# KiCad board katia.kicad_pcb (continued)
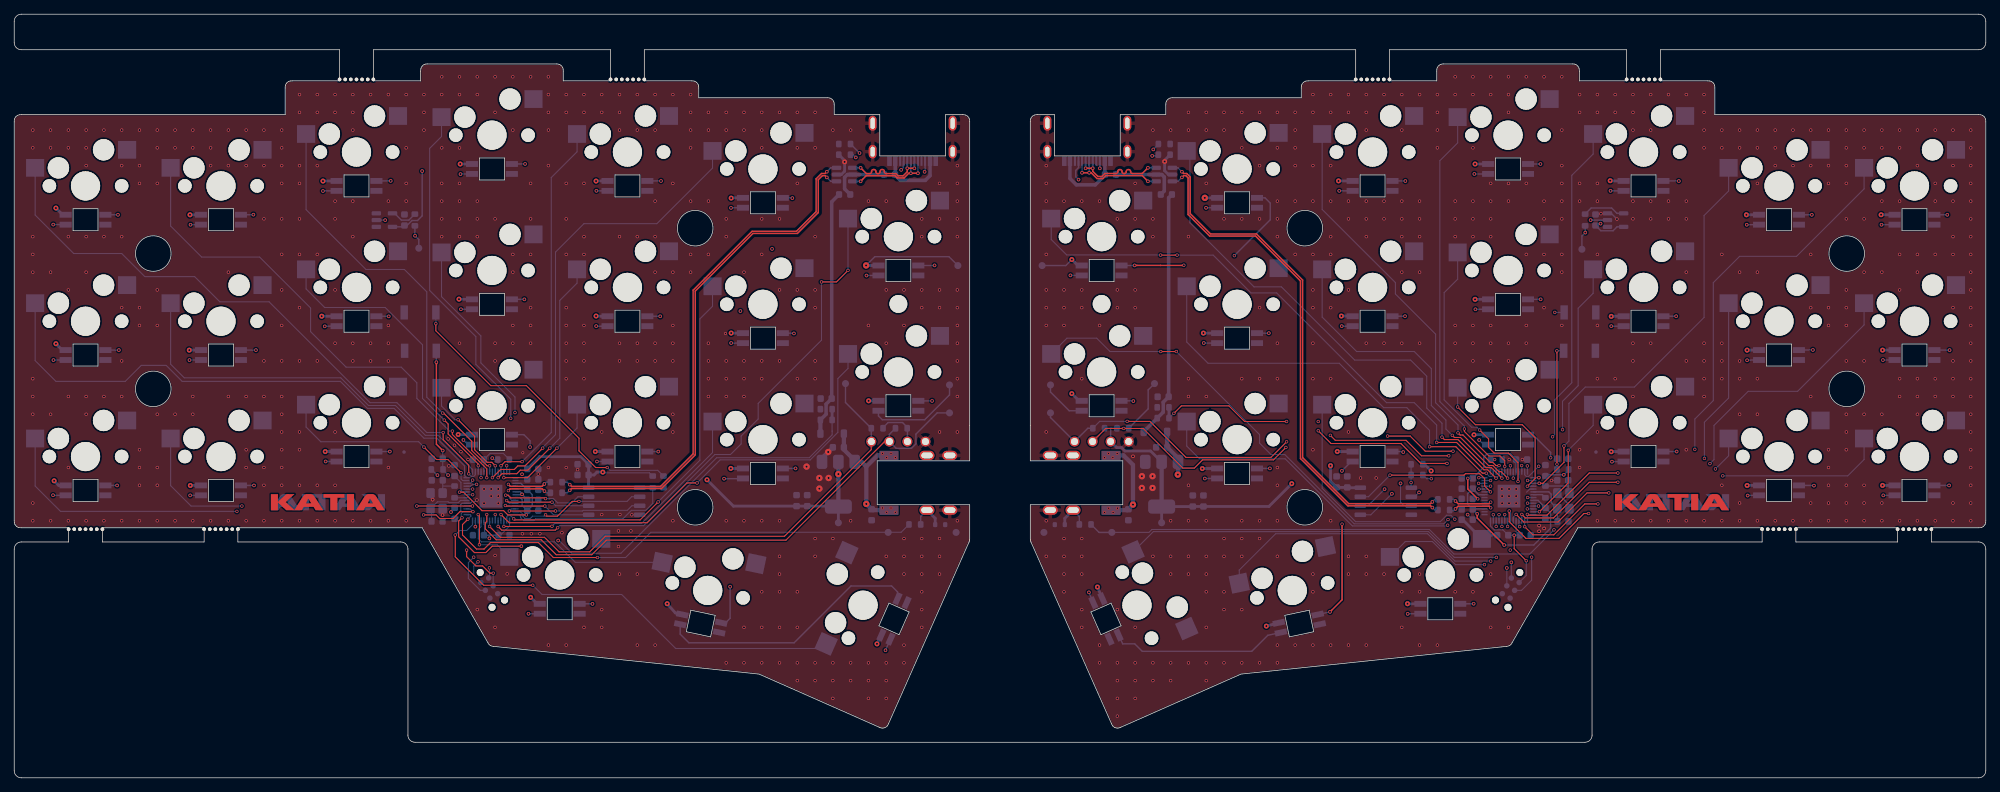
[diagram p0: board, top side]
## Nets
+1V1: C1.1 C4.1 C6.1 C14.1 C17.1 C19.1 U1.23 U1.45 U1.50 U2.23 U2.45 U2.50
+3V3: C7.1 C8.1 C9.1 C10.1 C11.1 C12.1 C13.1 C20.1 C21.1 C22.1 C23.1 C24.1 C25.1 C26.1 C27.1 C28.1 C33.1 C34.1 C35.1 C36.1 C41.1 C42.1 J2.3 J3.1 J5.3 J6.1 R1.1 R5.1 R7.1 R8.1 R9.1 R15.1 R16.1 R17.2 R24.2 TP11.1 TP16.1 U1.1 U1.10 U1.22 U1.33 U1.42 U1.43 U1.44 U1.48 U1.49 U2.1 U2.10 U2.22 U2.33 U2.42 U2.43 U2.44 U2.48 U2.49 U3.8 U6.2 U7.8 U10.2
+5V: C29.1 C30.1 C32.1 C37.1 C38.1 C40.1 D3.1 D4.1 J1.T J4.T LED1.4 LED2.4 LED3.4 LED4.4 LED5.4 LED6.4 LED7.4 LED8.4 LED9.4 LED10.4 LED11.4 LED12.4 LED13.4 LED14.4 LED15.4 LED16.4 LED17.4 LED18.4 LED19.4 LED20.4 LED21.4 LED22.4 LED23.4 LED24.4 LED25.4 LED26.4 LED27.4 LED28.4 LED29.4 LED30.4 LED31.4 LED32.4 LED33.4 LED34.4 LED35.4 LED36.4 LED37.4 LED38.4 LED39.4 LED40.4 LED41.4 LED42.4 LED43.4 LED44.4 LED45.4 LED46.4 TP10.1 TP15.1 U4.5 U6.3 U8.5 U10.3
GND: C1.2 C2.2 C3.2 C4.2 C5.2 C6.2 C7.2 C8.2 C9.2 C10.2 C11.2 C12.2 C13.2 C14.2 C15.2 C16.2 C17.2 C18.2 C19.2 C20.2 C21.2 C22.2 C23.2 C24.2 C25.2 C26.2 C27.2 C28.2 C29.2 C30.2 C31.2 C32.2 C33.2 C34.2 C35.2 C36.2 C37.2 C38.2 C39.2 C40.2 C41.2 C42.2 D1.1 D2.1 J1.S J2.4 J3.5 J4.S J5.4 J6.5 J7.A1 J7.A12 J7.B1 J7.B12 J7.S1 J8.A1 J8.A12 J8.B1 J8.B12 J8.S1 LED1.2 LED2.2 LED3.2 LED4.2 LED5.2 LED6.2 LED7.2 LED8.2 LED9.2 LED10.2 LED11.2 LED12.2 LED13.2 LED14.2 LED15.2 LED16.2 LED17.2 LED18.2 LED19.2 LED20.2 LED21.2 LED22.2 LED23.2 LED24.2 LED25.2 LED26.2 LED27.2 LED28.2 LED29.2 LED30.2 LED31.2 LED32.2 LED33.2 LED34.2 LED35.2 LED36.2 LED37.2 LED38.2 LED39.2 LED40.2 LED41.2 LED42.2 LED43.2 LED44.2 LED45.2 LED46.2 R13.1 R20.1 R21.1 R23.2 R27.1 R28.1 R30.2 SW1.2 SW2.2 SW3.2 SW4.2 SW5.2 SW6.2 SW7.2 SW8.2 SW9.2 SW10.2 SW11.2 SW12.2 SW13.2 SW14.2 SW15.2 SW16.2 SW17.2 SW18.2 SW19.2 SW20.2 SW21.2 SW22.2 SW23.2 SW24.2 SW25.2 SW26.2 SW27.2 SW28.2 SW29.2 SW30.2 SW31.2 SW32.2 SW33.2 SW34.2 SW35.2 SW36.2 SW37.2 SW38.2 SW39.2 SW40.2 SW41.2 SW42.2 SW43.2 SW44.2 SW45.2 SW46.2 TACTSW1.1 TACTSW2.1 TACTSW3.1 TACTSW4.1 TP9.1 TP14.1 U1.19 U1.57 U2.19 U2.57 U3.4 U4.3 U5.2 U6.1 U7.4 U8.3 U9.2 U10.1 Y1.2 Y1.4 Y2.2 Y2.4
/Left Board/D+: R3.1 U5.1
/Left Board/D-: R4.2 U5.3
/Left Board/KEY1: SW21.1 U1.14
/Left Board/KEY2: SW20.1 U1.3
/Left Board/KEY3: SW19.1 U1.2
/Left Board/KEY4: SW18.1 U1.36
/Left Board/KEY5: SW14.1 U1.39
/Left Board/KEY6: SW15.1 U1.38
/Left Board/KEY7: SW16.1 U1.40
/Left Board/KEY8: SW17.1 U1.11
/Left Board/KEY9: SW13.1 U1.12
/Left Board/KEY10: SW12.1 U1.37
/Left Board/KEY11: SW11.1 U1.6
/Left Board/KEY12: SW10.1 U1.41
/Left Board/KEY13: SW7.1 U1.35
/Left Board/KEY14: SW8.1 U1.31
/Left Board/KEY15: SW9.1 U1.27
/Left Board/KEY16: SW6.1 U1.18
/Left Board/KEY17: SW5.1 U1.29
/Left Board/KEY18: SW4.1 U1.34
/Left Board/KEY19: SW1.1 U1.30
/Left Board/KEY20: SW2.1 U1.28
/Left Board/KEY21: SW3.1 U1.17
/Left Board/KEY22: SW22.1 U1.5
/Left Board/KEY23: SW23.1 U1.4
/Left Board/LED: U1.13 U4.2
/Left Board/QSPI_SCLK: U1.52 U3.6
/Left Board/QSPI_SD0: U1.53 U3.5
/Left Board/QSPI_SD1: U1.55 U3.2
/Left Board/QSPI_SD2: U1.54 U3.3
/Left Board/QSPI_SD3: U1.51 U3.7
/Left Board/QSPI_SS: R17.1 R18.1 U1.56 U3.1
/Left Board/RUN: C5.1 J3.3 R1.2 TACTSW1.2 U1.26
/Left Board/SCL: J2.2 R8.2 TP3.1 U1.9
/Left Board/SDA: J2.1 R7.2 TP2.1 U1.8
/Left Board/SPLIT_HAND: R5.2 U1.32
/Left Board/SWCLK: J3.4 U1.24
/Left Board/SWD: J3.2 U1.25
/Left Board/TX: R6.2 TP1.1 U1.15
/Left Board/USB/DATA+: J7.A6 J7.B6 U5.6
/Left Board/USB/DATA-: J7.A7 J7.B7 U5.4
/Left Board/USB_VBUS: R22.2 R23.1 U1.16
/Left Board/XIN: C2.1 U1.20 Y1.1
/Left Board/XOUT: R2.2 U1.21
/Right Board/D+: R11.1 U9.1
/Right Board/D-: R12.2 U9.3
/Right Board/KEY1: SW44.1 U2.36
/Right Board/KEY2: SW43.1 U2.37
/Right Board/KEY3: SW42.1 U2.2
/Right Board/KEY4: SW41.1 U2.5
/Right Board/KEY5: SW37.1 U2.3
/Right Board/KEY6: SW38.1 U2.7
/Right Board/KEY7: SW39.1 U2.41
/Right Board/KEY8: SW40.1 U2.38
/Right Board/KEY9: SW36.1 U2.40
/Right Board/KEY10: SW35.1 U2.18
/Right Board/KEY11: SW34.1 U2.11
/Right Board/KEY12: SW33.1 U2.6
/Right Board/KEY13: SW30.1 U2.12
/Right Board/KEY14: SW31.1 U2.14
/Right Board/KEY15: SW32.1 U2.27
/Right Board/KEY16: SW29.1 U2.30
/Right Board/KEY17: SW28.1 U2.31
/Right Board/KEY18: SW27.1 U2.17
/Right Board/KEY19: SW24.1 U2.29
/Right Board/KEY20: SW25.1 U2.34
/Right Board/KEY21: SW26.1 U2.35
/Right Board/KEY22: SW45.1 U2.4
/Right Board/KEY23: SW46.1 U2.39
/Right Board/LED: U2.13 U8.2
/Right Board/QSPI_SCLK: U2.52 U7.6
/Right Board/QSPI_SD0: U2.53 U7.5
/Right Board/QSPI_SD1: U2.55 U7.2
/Right Board/QSPI_SD2: U2.54 U7.3
/Right Board/QSPI_SD3: U2.51 U7.7
/Right Board/QSPI_SS: R24.1 R25.1 U2.56 U7.1
/Right Board/RUN: C18.1 J6.3 R9.2 TACTSW2.2 U2.26
/Right Board/SCL: J5.2 R16.2 TP6.1 U2.9
/Right Board/SDA: J5.1 R15.2 TP5.1 U2.8
/Right Board/SPLIT_HAND: R13.2 U2.32
/Right Board/SWCLK: J6.4 U2.24
/Right Board/SWD: J6.2 U2.25
/Right Board/TX: R14.2 TP4.1 U2.15
/Right Board/USB/DATA+: J8.A6 J8.B6 U9.6
/Right Board/USB/DATA-: J8.A7 J8.B7 U9.4
/Right Board/USB_VBUS: R29.2 R30.1 U2.16
/Right Board/XIN: C15.1 U2.20 Y2.1
/Right Board/XOUT: R10.2 U2.21
Net-(C3-Pad1): C3.1 R2.1 Y1.3
Net-(C16-Pad1): C16.1 R10.1 Y2.3
Net-(D1-A2): D1.2 J1.R R6.1
Net-(D2-A2): D2.2 J4.R R14.1
Net-(D3-A): C31.1 D3.2 FB1.2 R22.1
Net-(D4-A): C39.1 D4.2 FB2.2 R29.1
Net-(F1-Pad1): F1.1 J7.A4 J7.A9 J7.B4 J7.B9
Net-(F2-Pad1): F2.1 J8.A4 J8.A9 J8.B4 J8.B9
Net-(J7-CC1): J7.A5 R20.2
Net-(J7-CC2): J7.B5 R21.2
Net-(J8-CC1): J8.A5 R27.2
Net-(J8-CC2): J8.B5 R28.2
Net-(LED1-DIN): LED1.3 R19.2 TP7.1
Net-(LED1-DOUT): LED1.1 LED2.3
Net-(LED2-DOUT): LED2.1 LED3.3
Net-(LED3-DOUT): LED3.1 LED6.3
Net-(LED4-DIN): LED4.3 LED5.1
Net-(LED4-DOUT): LED4.1 LED7.3
Net-(LED5-DIN): LED5.3 LED6.1
Net-(LED7-DOUT): LED7.1 LED8.3
Net-(LED8-DOUT): LED8.1 LED9.3
Net-(LED10-DIN): LED10.3 LED11.1
Net-(LED10-DOUT): LED10.1 LED14.3
Net-(LED11-DIN): LED11.3 LED12.1
Net-(LED12-DIN): LED12.3 LED13.1
Net-(LED13-DIN): LED9.1 LED13.3
Net-(LED14-DOUT): LED14.1 LED15.3
Net-(LED15-DOUT): LED15.1 LED16.3
Net-(LED16-DOUT): LED16.1 LED17.3
Net-(LED17-DOUT): LED17.1 LED21.3
Net-(LED18-DIN): LED18.3 LED19.1
Net-(LED18-DOUT): LED18.1 LED22.3
Net-(LED19-DIN): LED19.3 LED20.1
Net-(LED20-DIN): LED20.3 LED21.1
Net-(LED22-DOUT): LED22.1 LED23.3
Net-(LED23-DOUT): LED23.1 TP8.1
Net-(LED24-DIN): LED24.3 R26.2 TP12.1
Net-(LED24-DOUT): LED24.1 LED25.3
Net-(LED25-DOUT): LED25.1 LED26.3
Net-(LED26-DOUT): LED26.1 LED29.3
Net-(LED27-DIN): LED27.3 LED28.1
Net-(LED27-DOUT): LED27.1 LED30.3
Net-(LED28-DIN): LED28.3 LED29.1
Net-(LED30-DOUT): LED30.1 LED31.3
Net-(LED31-DOUT): LED31.1 LED32.3
Net-(LED32-DOUT): LED32.1 LED36.3
Net-(LED33-DIN): LED33.3 LED34.1
Net-(LED33-DOUT): LED33.1 LED37.3
Net-(LED34-DIN): LED34.3 LED35.1
Net-(LED35-DIN): LED35.3 LED36.1
Net-(LED37-DOUT): LED37.1 LED38.3
Net-(LED38-DOUT): LED38.1 LED39.3
Net-(LED39-DOUT): LED39.1 LED40.3
Net-(LED40-DOUT): LED40.1 LED44.3
Net-(LED41-DIN): LED41.3 LED42.1
Net-(LED41-DOUT): LED41.1 LED45.3
Net-(LED42-DIN): LED42.3 LED43.1
Net-(LED43-DIN): LED43.3 LED44.1
Net-(LED45-DOUT): LED45.1 LED46.3
Net-(LED46-DOUT): LED46.1 TP13.1
Net-(R18-Pad2): R18.2 TACTSW3.2
Net-(R25-Pad2): R25.2 TACTSW4.2
Net-(U1-USB_DM): R4.1 U1.46
Net-(U1-USB_DP): R3.2 U1.47
Net-(U2-USB_DM): R12.1 U2.46
Net-(U2-USB_DP): R11.2 U2.47
Net-(U4-Y): R19.1 U4.4
Net-(U5-VBUS): F1.2 FB1.1 U5.5
Net-(U8-Y): R26.1 U8.4
Net-(U9-VBUS): F2.2 FB2.1 U9.5

Pads without a net: J3 6; J6 6; J7 A8 B8; J8 A8 B8; U1 7; U2 28; U4 1; U8 1

## Via types
v1: diameter 0.45, hole 0.3, Top to Bottom, 1062 vias
v2: diameter 0.9, hole 0.3, Top to Bottom, 15 vias
v3: diameter 0.7, hole 0.3, Top to Bottom, 51 vias
v4: diameter 0.5, hole 0.3, Top to Bottom, 155 vias
v5: diameter 0.4, hole 0.25, Top to Bottom, 18 vias

## Routing (per net, layer and track width the routed paths; a pad name or vN(x,y) marks a point on that pad's centre or on a via; arc(x,y) is an arc through that point)
+1V1: length 50.3
  Top w0.15: v1(72.01,37) 69.41,37 68.81,37.6 65.78,37.6 63.18,40.2 v1(62.61,40.2)
  Top w0.2: v4(205.72,37.16) 205.72,36.56 v4(209.51,32.77)
  Bottom w0.15: v1(72.01,37) 72.01,37.48 ; C6.1 62.81,41.58 62.81,40.5 63.07,40.25 U1.23 62.66,40.25 v1(62.61,40.2)
  Bottom w0.2: U1.50 71.13,39.45 71.41,39.17 71.41,38.34 C4.1 72.84,38.32 72.84,39.85 C1.1 71.24,41.45 U1.45 ; U2.23 214.27,39.05 C19.1 216.03,37.28 216.03,35.14 213.66,32.77 v4(209.51,32.77) ; 205.06,40.7 204.36,40 204.36,38.51 C17.1 v4(205.72,37.16) ; U2.45 205.29,37.85 ; 205.23,40.55 205.93,39.85 U2.50
+3V3: length 273.2
  Top w0.15: v4(210.91,34.14) 210.91,32.25 v1(212.61,30.55)
  Top w0.2: v1(205.79,39.26) 204.39,40.66 v1(204.39,42.15)
  In1.Cu w0.4: J2.3 124.54,46.28 119.41,46.28 v2(115.89,42.75)
  In2.Cu w0.15: v1(66.81,29.55) v4(66.81,33.7)
  In2.Cu w0.2: v4(61.41,37.4) 59.51,39.3 v4(59.51,42.6) ; v4(61.41,37.4) 61.41,37.36 65.06,33.7 v4(66.81,33.7) 68.2,33.7 71.41,36.91 v4(71.41,39.9) 71.41,39.91 71.41,42.73 ; v4(61.41,37.4) 63.86,39.85 v1(64.46,39.85) ; v1(204.39,42.15) 203.34,43.2 v3(199.24,43.2) ; 213.61,39.46 214.69,39.46 v4(217.89,42.65) ; 213.61,39.46 213.61,35.2 212.55,34.14 v4(210.91,34.14) 207.27,34.14 204.37,37.05 ; 213.61,39.46 v1(212.8,39.46) ; v1(205.79,39.26) 204.36,37.84 v4(204.36,37.05)
  In2.Cu w0.4: v3(179.64,41.4) 182.16,43.93 v3(185.09,43.93) 185.11,43.9 188.06,43.9 188.76,43.2 v3(199.24,43.2) ; v3(97.41,41.95) 96.34,43.03 v3(82.76,43.03)
  Bottom w0.15: U1.33 C12.1 66.92,45.67 68.75,45.67 R5.1 ; J6.1 212.61,28.49 v1(212.61,30.55) ; U1.22 64.31,39.85 64.31,39.85 v1(64.46,39.85) ; 89.59,42.66 89.33,42.93 82.86,42.93 v3(82.76,43.03) ; U1.1 69.64,35.43 68.36,34.15 ; C23.1 211.18,34.64 U2.33 ; U2.42 207.58,35.43 208.12,34.9 209.33,34.9 C22.1 ; v4(204.36,37.05) C20.1 ; v1(66.81,29.55) 66.81,28.22 ; v4(71.41,39.9) 71.41,39.85 ; U1.10 66.04,35.67 66.15,35.57 66.15,34.25
  Bottom w0.2: 206.62,43.7 206.62,45.11 207.11,45.6 210.38,45.6 C25.1 U2.10 ; 206.62,43.7 C21.1 ; 206.62,43.7 207.46,43.7 207.58,43.58 U2.1 ; v1(204.39,42.15) 205.07,42.15 ; U2.22 212.81,39.45 v1(212.8,39.46) ; 72.14,39.17 v4(71.41,39.9) 71.41,40.01 71.17,40.25 U1.48 ; 154.21,49.2 R16.1 ; 154.21,49.2 R15.1 ; 154.21,49.2 154.17,49.16 J5.3 ; 218.58,43.34 v4(217.89,42.65) 215.49,42.65 ; v4(61.41,37.4) 61.92,37.91 ; v4(66.81,33.7) 66.81,34.14 ; 122.16,49.3 122.86,50 124.91,50 125.56,49.35 ; R1.1 59.45,42.6 v4(59.51,42.6) ; J2.3 125.6,49.17 ; 71.41,39.85 U1.49 ; 68.08,34.14 C10.1 ; v1(205.79,39.26) C26.1 ; C22.1 C23.1
  Bottom w0.4: v3(82.76,43.03) 81.94,43.03 81.54,42.63 C27.1 ; C7.1 73.87,45.2 79.69,45.2 C28.1 C27.1 ; 161.31,44.48 159.78,46 156.19,46 155.71,46.48 155.02,46.48 J5.3 ; TP16.1 U10.2 165.71,38.18 ; v3(179.64,41.4) 176.43,38.19 C42.1 C41.1 ; C27.1 80.76,40.85 ; 115.82,38.24 C33.1 C34.1 101.12,38.24 v3(97.41,41.95) ; TP11.1 U6.2 ; U7.8 187.49,40.83 ; R24.2 198.31,44.13 v3(199.24,43.2) ; v3(185.09,43.93) 185.09,41.72 C35.1 C36.1
  Bottom w0.6: U6.2 v2(115.89,42.75) U6.2 ; U10.2 U10.2
  vias: v4(71.41,42.73)
+5V: length 1099.5
  In1.Cu w0.2: v3(224.41,84.05) 223.71,83.35 223.71,78.67 v4(223.06,78.01)
  In2.Cu w0.4: 205.41,49.7 198.56,49.7 196.16,47.3 187.41,47.3 v3(186.04,45.93) 185.06,44.95 168.49,44.95 v3(167.06,43.53) 166.21,42.68 v2(163.61,42.68) ; 205.41,49.7 213.36,49.7 215.76,47.3 224.56,47.3 ; 205.41,49.7 205.26,49.55 v3(205.26,48.29) ; 160.11,73.5 149.26,73.5 v3(148.71,72.95) ; v3(24.76,41.15) 24.76,42.5 ; 24.76,42.5 6.31,42.5 v3(5.61,41.8) ; 24.76,42.5 40.31,42.5 v3(43.73,45.92) 45.11,47.3 58.16,47.3 60.56,49.7 62.41,49.7 ; v3(24.61,60.2) 24.61,61.6 ; 81.81,66.3 80.44,66.3 78.04,68.7 63.86,68.7 v3(62.54,67.38) 61.46,66.3 44.56,66.3 v3(43.24,64.98) 39.86,61.6 6.36,61.6 v3(5.86,61.1) ; 81.81,66.3 95.44,66.3 97.74,64 100.81,64 ; 81.81,66.3 v3(81.81,65) ; 24.71,80.6 40.01,80.6 v3(43.41,84) 44.81,85.4 v4(57.36,85.4) 61.71,85.4 64.11,87.8 78.91,87.8 81.31,85.4 97.41,85.4 99.81,83 100.81,83 ; 24.71,80.6 v3(24.71,79.25) ; 24.71,80.6 6.26,80.6 v3(5.86,80.2) ; v3(120.14,53.07) 117.34,53.07 117.33,53.05 ; 81.71,47.4 90.34,47.4 92.64,45.1 100.76,45.1 ; 81.71,47.4 v3(81.71,45.92) ; 81.71,47.4 71.21,47.4 68.91,49.7 62.41,49.7 ; v3(243.66,60.2) 243.66,61.6 ; 243.66,61.6 242.11,61.6 237.36,66.35 224.56,66.35 ; 243.66,61.6 261.31,61.6 v3(262.71,60.2) ; v3(262.71,41.16) 261.37,42.5 243.61,42.5 ; 243.61,42.5 241.61,42.5 236.81,47.3 224.56,47.3 ; 243.61,42.5 243.66,42.45 v3(243.66,41.15) ; v3(262.51,79.26) 261.16,80.6 243.51,80.6 ; 243.51,80.6 243.56,80.55 v3(243.56,79.25) ; 243.51,80.6 241.61,80.6 236.81,85.4 224.41,85.4 ; 62.41,49.7 62.43,49.69 v3(62.43,48.32) ; v3(72.61,25.4) 73.18,25.97 90.35,25.97 v3(91.81,24.5) 95.51,24.5 96.23,23.79 116.33,23.79 ; v2(167.41,81.64) 168.78,83 185.19,83 v3(186.21,84.02) 187.59,85.4 204.41,85.4 v3(205.41,86.4) 206.76,87.75 220.01,87.75 222.36,85.4 224.41,85.4 ; 224.56,66.35 v3(224.56,64.95) ; 224.56,66.35 223.01,66.35 220.66,68.7 206.76,68.7 v3(205.41,67.35) 204.41,66.35 187.96,66.35 v3(186.61,65) 185.56,63.95 168.56,63.95 v3(167.21,62.6) 162.46,57.85 160.11,57.85 ; v2(157.31,38.46) 152.31,33.46 v3(152.31,26.85) 163.86,26.85 169.36,21.35 v3(176.06,21.35) 178.51,23.8 181.06,23.8 181.76,24.5 v3(195.91,24.5) ; v3(121.31,18.85) 121.19,18.98 121.14,18.98 116.33,23.79 ; 224.56,47.3 v3(224.56,45.9) ; v3(224.41,84.05) 224.41,85.4 ; 117.33,48.55 117.29,48.59 114,48.59 110.51,45.1 100.76,45.1 ; v3(148.71,54.08) 149.09,54.45 160.11,54.45 ; v3(81.81,84) 81.81,85.4 ; v3(100.81,62.6) 100.81,64 ; 100.81,64 117.33,64 ; 116.33,23.79 116.33,25.67 119.81,29.15 v2(119.81,38.55) ; v3(100.81,81.6) 100.81,83 ; 100.81,83 108.91,83 v2(119.79,72.13) ; v3(100.76,43.55) 100.76,45.1
  In2.Cu w0.6: v2(119.81,38.55) 119.81,42.78 117.33,45.27 117.33,69.67 v2(119.79,72.13) ; v2(167.41,81.64) 160.11,74.34 160.11,46.18 v2(163.61,42.68) 159.39,38.46 v2(157.31,38.46)
  Bottom w0.2: TP15.1 147.86,72.1 v3(148.71,72.95) ; TP10.1 131.44,73.35 121.01,73.35 v2(119.79,72.13) ; 222.61,78.01 v4(223.06,78.01) ; v4(57.36,85.4) 57.36,79.1 56.71,78.45 55.93,78.45 55.23,77.75 ; U8.5 225.37,77.56 224.82,77.01 223.1,77.01 222.35,77.75 ; U4.5 54.68,77.56
  Bottom w0.4: v3(148.71,54.08) 149.73,53.07 ; v3(100.76,43.55) 100.78,43.54 LED20.4 ; v3(62.54,67.38) 62.56,67.35 64.38,67.35 ; v3(100.81,81.6) 100.85,81.64 LED18.4 ; LED44.4 v3(152.31,26.85) ; v3(195.91,24.5) 195.93,24.49 LED36.4 ; LED32.4 224.58,45.92 v3(224.56,45.9) ; v3(100.81,62.6) 100.83,62.59 LED19.4 ; LED43.4 167.08,43.54 v3(167.06,43.53) ; v3(186.04,45.93) 186.04,45.92 LED39.4 ; 6.81,79.26 v3(5.86,80.2) ; LED3.4 6.26,41.16 v3(5.61,41.8) ; 163.64,42.71 v2(163.61,42.68) ; v3(24.61,60.2) 24.62,60.21 LED5.4 ; v2(167.41,81.64) LED41.4 ; v3(148.71,72.95) 149.55,72.12 ; LED40.4 v3(176.06,21.35) ; LED7.4 43.43,84.02 v3(43.41,84) ; LED31.4 224.58,64.97 v3(224.56,64.95) ; v3(62.43,48.32) 62.45,48.3 LED12.4 ; v3(243.66,60.2) 243.67,60.21 LED28.4 ; v3(167.21,62.6) 167.23,62.59 LED42.4 ; v3(205.26,48.29) 205.28,48.3 LED35.4 ; LED16.4 81.71,45.92 v3(81.71,45.92) ; v3(243.66,41.15) 243.67,41.16 LED29.4 ; 6.76,60.21 v3(5.86,61.1) ; v3(91.81,24.5) 92.96,23.2 LED17.4 ; v3(243.56,79.25) 243.57,79.26 LED27.4 ; v3(262.71,60.2) 264.39,60.2 ; 207.25,86.4 v3(205.41,86.4) ; LED37.4 v3(186.21,84.02) ; v3(43.24,64.98) 43.24,64.97 LED8.4 ; v3(81.81,65) 81.84,64.97 LED15.4 ; v3(24.71,79.25) 24.72,79.26 LED4.4 ; 207.25,67.35 v3(205.41,67.35) ; v3(81.81,84) 81.83,84.02 LED14.4 ; v3(186.61,65) 188.17,65 ; v3(120.14,53.07) LED23.4 ; v3(24.76,41.15) 24.77,41.16 LED6.4 ; LED22.4 119.8,72.12 v2(119.79,72.13) ; v3(224.41,84.05) 224.44,84.02 LED30.4 ; v3(262.71,41.16) LED26.4 ; 73.53,24.49 v3(72.61,25.4) ; v3(262.51,79.26) LED24.4 ; LED21.4 v3(121.31,18.85) ; 64.38,86.4 v3(62.71,86.4) ; v3(43.73,45.92) LED9.4
  Bottom w0.6: 120.56,37.8 v2(119.81,38.55) 119.81,43.8 ; 119.81,43.8 119.81,43.8 119.14,44.48 U6.3 118.19,44.67 116.66,46.2 C32.1 D3.1 ; 119.81,43.8 121.4,45.38 J1.T ; U10.3 163.64,42.71 ; J1.T 120.74,37.68 ; 163.64,44.99 C40.1 D4.1 ; J4.T 155.98,45.38 157.31,44.06 v2(157.31,38.46) 156.66,37.81 ; 156.54,37.68 J4.T
  vias: v5(122.09,45.68) v5(122.09,37.98) v5(122.69,45.08) v5(122.69,37.38) v5(123.29,45.68) v5(123.29,37.98) v5(123.89,45.08) v5(123.89,37.38) v5(153.29,45.05) v5(153.31,37.35) v5(153.89,45.65) v5(153.91,37.95) v5(154.49,45.05) v5(154.51,37.35) v5(155.09,45.65) v5(155.11,37.95)
GND: length 31.8
  In1.Cu w0.2: v1(210.21,44.8) v1(212.06,44.8)
  Bottom w0.15: U2.19 213.1,40.65 212.65,40.2 ; v1(216.16,41.85) 216.95,41.85 ; 61.92,36.71 62.79,37.58 62.79,38.45 62.98,38.65 U1.19 64.15,38.65 64.41,38.9 64.86,38.9 v1(65.06,39.1)
  Bottom w0.2: v4(60.23,36.98) 60.23,37.87 ; 218.68,38.38 Y2.2 ; v4(58.84,39.15) 58.54,39.45 Y1.2 ; 224.56,79.46 225.31,78.7 ; v1(61.11,43.9) 61.8,43.9 ; v1(86.84,37.03) 87.95,37.03 ; v1(212.06,44.8) 212.73,44.8
  Bottom w0.4: U9.2 162.3,84.92 161.76,85.45 v3(161.76,86.75) 161.76,86.94 R27.1 ; U5.2 116.3,84.92 116.76,85.38 v3(116.76,86.7) 116.76,86.89 R21.1 ; C22.2 206.88,34.14 ; 203.67,36.33 SW36.2
  Bottom w0.6: C32.2 113.59,44.99
  vias: v1(2.61,91.18) v1(2.61,88.68) v1(2.61,76.18) v1(2.61,73.68) v1(2.61,71.18) v1(2.61,56.18) v1(2.61,53.68) v1(2.61,51.18) v1(2.61,38.68) v1(2.61,36.18) v1(5.11,91.18) v1(5.11,88.68) v1(5.11,71.18) v1(5.11,51.18) v1(5.11,36.18) v1(7.61,91.18) v1(7.61,88.68) v1(7.61,76.18) v1(7.61,68.68) v1(7.61,53.68) v1(7.61,43.68) v1(7.61,36.18) v1(10.11,91.18) v1(10.11,88.68) v1(10.11,86.18) v1(10.11,76.18) v1(10.11,71.18) v1(10.11,53.68) v1(10.11,51.18) v1(10.11,36.18) v1(12.61,91.18) v1(12.61,76.18) v1(12.61,53.68) v1(12.61,36.18) v1(15.11,91.18) v1(15.11,86.18) v1(15.11,76.18) v1(15.11,66.18) v1(15.11,58.68) v1(15.11,53.68) v1(15.11,36.18) v1(17.61,91.18) v1(17.61,86.18) v1(17.61,83.68) v1(17.61,66.18) v1(17.61,63.68) v1(17.61,46.18) v1(17.61,43.68) v1(17.61,41.18) v1(17.61,36.18) v1(20.11,91.18) v1(20.11,88.68) v1(20.11,83.68) v1(20.11,68.68) v1(20.11,63.68) v1(20.11,51.18) v1(20.11,43.68) v1(20.11,41.18) v1(20.11,36.18) v1(22.61,91.18) v1(22.61,88.68) v1(22.61,51.18) v1(22.61,36.18) v1(25.11,91.18) v1(25.11,88.68) v1(25.11,53.68) v1(25.11,51.18) v1(25.11,36.18) v1(27.61,91.18) v1(27.61,88.68) v1(27.61,86.18) v1(27.61,36.18) v1(30.11,91.18) v1(30.11,86.18) v1(30.11,71.18) v1(30.11,53.68) v1(30.11,36.18) v1(32.61,91.18) v1(32.61,86.18) v1(32.61,53.68) v1(32.61,46.18) v1(32.61,43.68) v1(32.61,36.18) v1(35.11,91.18) v1(35.11,86.18) v1(35.11,78.68) v1(35.11,58.68) v1(35.11,53.68) v1(35.11,43.68) v1(35.11,41.18) v1(35.11,36.18) v1(37.61,91.18) v1(37.61,88.68) v1(37.61,86.18) v1(37.61,83.68) v1(37.61,78.68) v1(37.61,73.68) v1(37.61,68.68) v1(37.61,63.68) v1(37.61,58.68) v1(37.61,53.68) v1(37.61,51.18) v1(37.61,48.68) v1(37.61,46.18) v1(37.61,43.68) v1(37.61,41.18) v1(37.61,36.18) v1(40.11,96.18) v1(40.11,93.68) v1(40.11,86.18) v1(40.11,83.68) v1(40.11,78.68) v1(40.11,73.68) v1(40.11,66.18) v1(40.11,58.68) v1(40.11,48.68) v1(40.11,46.18) v1(40.11,41.18) v1(40.11,36.18) v1(42.61,96.18) v1(42.61,93.68) v1(42.61,86.18) v1(42.61,73.68) v1(42.61,58.68) v1(42.61,41.18) v1(42.61,36.18) v1(45.11,96.18) v1(45.11,93.68) v1(45.11,81.18) v1(45.11,78.68) v1(45.11,68.68) v1(45.11,61.18) v1(45.11,48.68) v1(45.11,41.18) v1(45.11,36.18) v1(47.61,96.18) v1(47.61,93.68) v1(47.61,91.18) v1(47.61,81.18) v1(47.61,76.18) v1(47.61,61.18) v1(47.61,58.68) v1(47.61,36.18) v1(50.11,96.18) v1(50.11,61.18) v1(50.11,58.68) v1(50.11,36.18) v1(52.61,96.18) v1(52.61,81.18) v1(52.61,63.68) v1(52.61,61.18) v1(52.61,58.68) v1(52.61,43.68) v1(52.61,36.18) v1(55.11,96.18) v1(55.11,88.68) v1(55.11,83.68) v1(55.11,81.18) v1(55.11,36.18) v1(57.61,96.18) v1(57.61,93.68) v1(57.61,91.18) v1(60.11,98.68) v1(60.11,96.18) v1(60.11,88.68) v1(60.11,83.68) v1(60.11,81.18) v1(60.11,78.68) v1(60.11,76.18) v1(61.01,47.7) v1(61.91,46.8) v1(62.61,98.68) v1(62.61,96.18) v1(62.61,88.68) v1(62.61,83.68) v1(62.61,81.18) v1(62.61,78.68) v1(62.61,76.18) v1(62.61,61.18) v1(62.81,45.9) v1(63.81,44.8) v1(65.11,98.68) v1(65.11,96.18) v1(65.11,81.18) v1(65.11,78.68) v1(65.11,76.18) v1(65.11,23.68) v1(66.06,40.65) v1(66.06,38.65) v1(67.06,40.65) v1(67.06,39.65) v1(67.61,98.68) v1(67.61,93.68) v1(67.61,78.68) v1(67.61,61.18) v1(67.61,58.68) v1(67.61,31.3) v1(67.61,21.18) v1(68.06,40.65) v1(68.06,39.65) v1(68.06,38.65) v1(69.31,28.7) v1(70.11,98.68) v1(70.11,91.18) v1(70.11,73.68) v1(70.11,71.18) v1(70.11,63.68) v1(70.11,61.18) v1(71.46,34.35) v1(72.61,98.68) v1(72.61,83.68) v1(72.61,78.68) v1(72.61,73.68) v1(72.61,66.18) v1(72.61,63.68) v1(72.61,61.18) v1(72.71,34.35) v1(73.69,42.75) v1(73.91,34.35) v1(75.11,98.68) v1(75.11,96.18) v1(75.11,93.68) v1(75.11,91.18) v1(75.11,86.18) v1(75.11,43.68) v1(75.11,18.68) v1(77.01,34.5) v1(77.61,96.18) v1(77.61,93.68) v1(77.61,83.68) v1(77.61,78.68) v1(77.61,73.68) v1(77.61,66.18) v1(77.61,63.68) v1(77.61,61.18) v1(77.61,58.68) v1(77.61,56.18) v1(77.61,43.68) v1(77.61,18.68) v1(79.21,43.38) v1(80.11,96.18) v1(80.11,93.68) v1(80.11,83.68) v1(80.11,76.18) v1(80.11,73.68) v1(80.11,63.68) v1(80.11,61.18) v1(80.11,58.68) v1(80.11,56.18) v1(80.11,21.18) v1(82.61,96.18) v1(82.61,93.68) v1(82.61,48.68) v1(82.61,37.05) v1(82.61,23.68) v1(82.61,21.18) v1(84.96,34.75) v1(84.96,32.55) v1(85.11,96.18) v1(85.11,93.68) v1(85.11,91.18) v1(85.11,76.18) v1(85.11,61.18) v1(85.11,58.68) v1(85.11,28.68) v1(85.16,37.05) v1(86.71,34.75) v1(87.61,96.18) v1(87.61,91.18) v1(87.61,76.18) v1(87.61,61.18) v1(87.61,58.68) v1(87.61,28.68) v1(87.61,18.68) v1(90.11,96.18) v1(90.11,91.18) v1(90.11,81.18) v1(90.11,76.18) v1(90.11,71.18) v1(90.11,61.18) v1(90.11,58.68) v1(90.11,18.68) v1(92.61,96.18) v1(92.61,83.68) v1(92.61,71.18) v1(92.61,63.68) v1(92.61,61.18) v1(92.61,58.68) v1(92.61,51.18) v1(92.61,48.68) v1(92.61,36.18) v1(95.11,96.18) v1(95.11,93.68) v1(95.11,91.18) v1(95.11,88.68) v1(95.11,81.18) v1(95.11,73.68) v1(95.11,71.18) v1(97.61,93.68) v1(97.61,91.18) v1(97.61,81.18) v1(97.61,73.68) v1(97.61,61.18) v1(97.61,58.68) v1(97.61,56.18) v1(97.61,53.68) v1(100.11,93.68) v1(100.11,91.18) v1(100.11,78.68) v1(100.11,76.18) v1(100.11,58.68) v1(100.11,56.18) v1(100.11,53.68) v1(100.11,36.18) v1(100.11,16.18) v1(102.61,93.68) v1(102.61,91.18) v1(102.61,71.18) v1(102.61,58.68) v1(102.61,56.18) v1(102.61,53.68) v1(102.61,36.18) v1(102.61,21.18) v1(102.61,16.18) v1(105.11,93.68) v1(105.11,91.18) v1(105.11,88.68) v1(105.11,78.68) v1(105.11,73.68) v1(105.11,58.68) v1(105.11,56.18) v1(105.11,36.18) v1(105.11,26.18) v1(105.11,21.18) v1(105.11,16.18) v1(107.61,93.68) v1(107.61,78.68) v1(107.61,68.68) v1(107.61,58.68) v1(107.61,36.18) v1(107.61,31.18) v1(107.61,28.68) v1(107.61,26.18) v1(107.61,21.18) v1(107.61,16.18) v1(110.11,93.68) v1(110.11,88.68) v1(110.11,83.68) v1(110.11,68.68) v1(110.11,56.18) v1(110.11,26.18) v1(110.11,21.18) v1(110.11,16.18) v1(110.11,13.68) v1(112.61,93.68) v1(112.61,88.68) v1(112.61,76.18) v1(112.61,68.68) v1(112.61,66.18) v1(112.61,58.68) v1(112.61,56.18) v1(112.61,33.68) v1(112.61,31.18) v1(112.61,16.18) v1(112.61,13.68) v1(115.11,91.18) v1(115.11,33.68) v1(115.11,16.18) v1(115.11,13.68) v1(115.11,11.18) v1(117.61,91.18) v1(117.61,36.18) v1(117.61,16.18) v1(117.61,13.68) v1(120.11,81.18) v1(120.11,63.68) v1(120.11,16.18) v1(120.11,13.68) v1(120.11,11.18) v1(122.61,81.18) v1(122.61,68.68) v1(122.61,61.18) v1(122.61,31.18) v1(122.61,16.18) v1(122.61,13.68) v1(122.61,11.18) v1(125.11,68.68) v1(125.11,63.68) v1(125.11,33.68) v1(125.11,31.18) v1(125.11,28.68) v1(125.11,18.68) v1(125.11,16.18) v1(127.61,78.68) v1(127.61,76.18) v1(127.61,68.68) v1(127.61,66.18) v1(127.61,33.68) v1(127.61,31.18) v1(127.61,28.68) v1(127.61,26.18) v1(127.61,23.68) v1(127.61,21.18) v1(130.11,83.68) v1(130.11,78.68) v1(130.11,68.68) v1(130.11,66.18) v1(130.11,48.68) v1(130.11,33.68) v1(130.11,31.18) v1(130.11,28.68) v1(132.61,86.18) v1(132.61,83.68) v1(132.61,81.18) v1(132.61,78.68) v1(132.61,76.18) v1(132.61,68.68) v1(132.61,66.18) v1(132.61,63.68) v1(132.61,61.18) v1(132.61,58.68) v1(132.61,56.18) v1(132.61,53.68) v1(132.61,48.68) v1(132.61,36.18) v1(145.11,86.18) v1(145.11,83.68) v1(145.11,81.18) v1(145.11,73.68) v1(145.11,68.68) v1(145.11,66.18) v1(145.11,63.68) v1(145.11,48.68) v1(145.11,36.18) v1(145.11,31.18) v1(147.61,81.18) v1(147.61,68.68) v1(147.61,66.18) v1(147.61,63.68) v1(147.61,33.68) v1(147.61,31.18) v1(147.61,28.68) v1(147.61,26.18) v1(150.11,81.18) v1(150.11,68.68) v1(150.11,66.18) v1(150.11,56.18) v1(150.11,33.68) v1(150.11,31.18) v1(150.11,28.68) v1(150.11,23.68) v1(150.11,21.18) v1(152.61,81.18) v1(152.61,63.68) v1(152.61,18.68) v1(152.61,16.18) v1(155.11,78.68) v1(155.11,68.68) v1(155.11,66.18) v1(155.11,23.68) v1(155.11,16.18) v1(155.11,13.68) v1(155.11,11.18) v1(155.11,8.68) v1(157.61,83.68) v1(157.61,78.68) v1(157.61,68.68) v1(157.61,66.18) v1(157.61,21.18) v1(157.61,16.18) v1(157.61,13.68) v1(157.61,11.18) v1(160.11,91.18) v1(160.11,78.68) v1(160.11,76.18) v1(160.11,31.18) v1(160.11,16.18) v1(160.11,13.68) v1(162.61,91.18) v1(162.61,36.18) v1(162.61,31.18) v1(162.61,28.68) v1(162.61,16.18) v1(162.61,13.68) v1(165.11,93.68) v1(165.11,91.18) v1(165.11,76.18) v1(165.11,56.18) v1(165.11,53.68) v1(165.11,41.18) v1(165.11,36.18) v1(165.11,31.18) v1(165.11,28.68) v1(165.11,16.18) v1(167.61,93.68) v1(167.61,91.18) v1(167.61,83.68) v1(167.61,53.68) v1(167.61,36.18) v1(167.61,31.18) v1(167.61,28.68) v1(167.61,26.18) v1(167.61,21.18) v1(167.61,16.18) v1(167.61,13.68) v1(170.11,93.68) v1(170.11,91.18) v1(170.11,78.68) v1(170.11,33.68) v1(170.11,31.18) v1(170.11,26.18) v1(170.11,23.68) v1(170.11,16.18) v1(172.61,93.68) v1(172.61,88.68) v1(172.61,78.68) v1(172.61,56.18) v1(172.61,36.18) v1(172.61,33.68) v1(172.61,31.18) v1(172.61,23.68) v1(172.61,16.18) v1(175.11,93.68) v1(175.11,86.18) v1(175.11,78.68) v1(175.11,66.18) v1(175.11,56.18) v1(175.11,36.18) v1(175.11,33.68) v1(175.11,16.18) v1(177.61,93.68) v1(177.61,88.68) v1(177.61,81.18) v1(177.61,78.68) v1(177.61,76.18) v1(177.61,61.18) v1(177.61,56.18) v1(177.61,43.68) v1(177.61,41.18) v1(177.61,36.18) v1(177.61,31.18) v1(177.61,18.68) v1(177.61,16.18) v1(180.11,93.68) v1(180.11,91.18) v1(180.11,88.68) v1(180.11,86.18) v1(180.11,81.18) v1(180.11,73.68) v1(180.11,18.68) v1(182.61,96.18) v1(182.61,93.68) v1(182.61,86.18) v1(182.61,81.18) v1(182.61,73.68) v1(182.61,68.68) v1(182.61,66.18) v1(182.61,61.18) v1(182.61,56.18) v1(182.61,46.18) v1(182.61,28.68) v1(182.61,26.18) v1(182.61,18.68) v1(185.11,96.18) v1(185.11,93.68) v1(185.11,86.18) v1(185.11,81.18) v1(185.11,76.18) v1(185.11,73.68) v1(185.11,66.18) v1(185.11,56.18) v1(185.11,36.18) v1(185.11,18.68) v1(187.61,96.18) v1(187.61,93.68) v1(187.61,81.18) v1(187.61,78.68) v1(187.61,68.68) v1(187.61,48.68) v1(187.61,31.18) v1(187.61,28.68) v1(187.61,18.68) v1(189.31,42.2) v1(190.11,96.18) v1(190.11,93.68) v1(190.11,91.18) v1(190.11,81.18) v1(190.11,78.68) v1(190.11,76.18) v1(190.11,61.18) v1(190.11,31.18) v1(190.11,28.68) v1(190.11,18.68) v1(191.51,42.2) v1(192.61,96.18) v1(192.61,81.18) v1(192.61,78.68) v1(192.61,61.18) v1(192.61,28.68) v1(195.11,96.18) v1(195.11,91.18) v1(195.11,81.18) v1(195.11,78.68) v1(195.11,76.18) v1(195.11,71.18) v1(195.11,61.18) v1(195.11,26.18) v1(195.11,21.18) v1(197.61,96.18) v1(197.61,81.18) v1(197.61,78.68) v1(197.61,76.18) v1(197.61,71.18) v1(197.61,61.18) v1(197.61,28.68) v1(197.61,26.18) v1(197.61,18.68) v1(200.11,96.18) v1(200.11,93.68) v1(200.11,91.18) v1(200.11,88.68) v1(200.11,18.68) v1(202.61,98.68) v1(202.61,96.18) v1(202.61,81.18) v1(202.61,78.68) v1(202.61,76.18) v1(202.61,63.68) v1(202.61,61.18) v1(202.61,58.68) v1(202.61,26.18) v1(205.11,98.68) v1(205.11,96.18) v1(205.11,88.68) v1(205.11,81.18) v1(205.11,78.68) v1(205.11,76.18) v1(205.11,63.68) v1(205.11,61.18) v1(205.11,58.68) v1(205.11,26.18) v1(207.61,98.68) v1(207.61,96.18) v1(207.61,83.68) v1(207.61,81.18) v1(207.61,78.68) v1(207.61,76.18) v1(207.61,63.68) v1(207.61,61.18) v1(207.61,58.68) v1(207.61,28.68) v1(207.61,21.18) v1(209.19,40.65) v1(209.21,39.65) v1(209.21,38.65) v1(210.11,98.68) v1(210.11,96.18) v1(210.11,93.68) v1(210.11,83.68) v1(210.11,81.18) v1(210.11,61.18) v1(210.11,58.68) v1(210.11,56.18) v1(210.11,21.18) v1(210.19,40.65) v1(210.19,39.65) v1(210.18,38.65) v1(211.19,40.65) v1(211.19,39.65) v1(211.19,38.65) v1(212.61,98.68) v1(212.61,83.68) v1(212.61,73.68) v1(212.61,63.68) v1(212.61,61.18) v1(215.11,98.68) v1(215.11,81.18) v1(215.11,78.68) v1(215.11,73.68) v1(215.11,66.18) v1(217.61,98.68) v1(217.61,91.18) v1(217.61,86.18) v1(217.61,83.68) v1(217.61,81.18) v1(217.61,78.68) v1(217.61,73.68) v1(217.61,71.18) v1(217.61,63.68) v1(220.11,96.18) v1(220.11,93.68) v1(220.11,83.68) v1(220.11,81.18) v1(220.11,46.18) v1(220.11,43.68) v1(222.61,96.18) v1(222.61,93.68) v1(222.61,83.68) v1(222.61,81.18) v1(222.61,73.68) v1(222.61,63.68) v1(222.61,56.18) v1(222.61,48.68) v1(222.61,36.18) v1(223.11,79.4) v1(225.11,96.18) v1(225.11,93.68) v1(225.11,56.18) v1(225.11,36.18) v1(225.36,78.65) v1(227.61,96.18) v1(227.61,93.68) v1(227.61,91.18) v1(227.61,81.18) v1(227.61,78.68) v1(227.61,61.18) v1(227.61,58.68) v1(227.61,53.68) v1(227.61,36.18) v1(230.11,96.18) v1(230.11,91.18) v1(230.11,81.18) v1(230.11,78.68) v1(230.11,61.18) v1(230.11,36.18) v1(232.61,96.18) v1(232.61,81.18) v1(232.61,78.68) v1(232.61,36.18) v1(235.11,96.18) v1(235.11,81.18) v1(235.11,78.68) v1(235.11,71.18) v1(235.11,58.68) v1(235.11,46.18) v1(235.11,36.18) v1(237.61,96.18) v1(237.61,93.68) v1(237.61,91.18) v1(237.61,88.68) v1(237.61,61.18) v1(237.61,58.68) v1(237.61,56.18) v1(237.61,53.68) v1(237.61,36.18) v1(240.11,91.18) v1(240.11,88.68) v1(240.11,73.68) v1(240.11,61.18) v1(240.11,58.68) v1(240.11,56.18) v1(240.11,41.18) v1(240.11,36.18) v1(242.61,91.18) v1(242.61,88.68) v1(242.61,71.18) v1(242.61,58.68) v1(242.61,56.18) v1(242.61,51.18) v1(242.61,38.68) v1(242.61,36.18) v1(245.11,91.18) v1(245.11,88.68) v1(245.11,83.68) v1(245.11,71.18) v1(245.11,56.18) v1(245.11,51.18) v1(245.11,36.18) v1(247.61,91.18) v1(247.61,88.68) v1(247.61,86.18) v1(247.61,36.18) v1(250.11,91.18) v1(250.11,86.18) v1(250.11,36.18) v1(252.61,91.18) v1(252.61,86.18) v1(252.61,73.68) v1(252.61,66.18) v1(252.61,53.68) v1(252.61,38.68) v1(252.61,36.18) v1(255.11,91.18) v1(255.11,86.18) v1(255.11,83.68) v1(255.11,66.18) v1(255.11,63.68) v1(255.11,46.18) v1(255.11,43.68) v1(255.11,41.18) v1(255.11,38.68) v1(255.11,36.18) v1(257.61,91.18) v1(257.61,88.68) v1(257.61,86.18) v1(257.61,83.68) v1(257.61,78.68) v1(257.61,68.68) v1(257.61,66.18) v1(257.61,63.68) v1(257.61,58.68) v1(257.61,51.18) v1(257.61,48.68) v1(257.61,46.18) v1(257.61,41.18) v1(257.61,38.68) v1(257.61,36.18) v1(260.11,91.18) v1(260.11,88.68) v1(260.11,78.68) v1(260.11,71.18) v1(260.11,58.68) v1(260.11,51.18) v1(260.11,41.18) v1(260.11,38.68) v1(260.11,36.18) v1(262.61,91.18) v1(262.61,88.68) v1(262.61,81.18) v1(262.61,71.18) v1(262.61,51.18) v1(262.61,38.68) v1(262.61,36.18) v1(265.11,91.18) v1(265.11,88.68) v1(265.11,81.18) v1(265.11,73.68) v1(265.11,68.68) v1(265.11,56.18) v1(265.11,53.68) v1(265.11,36.18) v1(267.61,91.18) v1(267.61,86.18) v1(267.61,73.68) v1(267.61,71.18) v1(267.61,56.18) v1(267.61,53.68) v1(267.61,51.18) v1(267.61,36.18) v1(270.11,91.18) v1(270.11,83.68) v1(270.11,81.18) v1(270.11,73.68) v1(270.11,56.18) v1(270.11,53.68) v1(270.11,36.18) v1(272.61,91.18) v1(272.61,86.18) v1(272.61,81.18) v1(272.61,76.18) v1(272.61,73.68) v1(272.61,66.18) v1(272.61,58.68) v1(272.61,56.18) v1(272.61,53.68) v1(272.61,38.68) v1(272.61,36.18) v1(275.11,91.18) v1(275.11,88.68) v1(275.11,86.18) v1(275.11,83.68) v1(275.11,81.18) v1(275.11,78.68) v1(275.11,76.18) v1(275.11,73.68) v1(275.11,71.18) v1(275.11,68.68) v1(275.11,66.18) v1(275.11,63.68) v1(275.11,61.18) v1(275.11,58.68) v1(275.11,56.18) v1(275.11,53.68) v1(275.11,51.18) v1(275.11,48.68) v1(275.11,46.18) v1(275.11,43.68) v1(275.11,41.18) v1(275.11,38.68) v1(275.11,36.18) v2(111.41,43.8) v2(113.21,42.2) v2(113.21,40.7) v2(114.45,45.86) v2(114.51,42.2) v2(158.56,42.45) v2(158.56,40.8) v2(160.06,42.45) v2(160.06,40.8) v4(157.31,45.25) v4(214.41,35.5) v4(214.41,34.7) v4(215.11,35.1) v5(71.51,45.75) v5(100.01,62.54)
